# KiCad board haptic display 8x8 aisler.kicad_pcb (continued)
## Routing (per net, layer and track width the routed paths; a pad name or vN(x,y) marks a point on that pad's centre or on a via; arc(x,y) is an arc through that point) (continued)
92.95,68.55 93.22,68.69 93.51,68.81 93.8,68.91 94.09,68.98 94.39,69.04 94.7,69.07 95,69.08 95.3,69.06 95.61,69.02 95.9,68.96 96.2,68.88 96.48,68.78 96.76,68.66 97.03,68.51 97.28,68.35 97.52,68.17 97.75,67.97 97.96,67.75 98.16,67.52 98.33,67.27 98.49,67.02 98.63,66.75 98.75,66.47 98.85,66.19 98.92,65.89 98.97,65.6 99,65.3 99.01,65 99,64.7 98.96,64.4 98.9,64.11 98.82,63.82 98.72,63.54 98.6,63.27 98.46,63 98.3,62.75 98.12,62.51 97.92,62.29 97.71,62.08 97.48,61.89 97.24,61.72 96.99,61.56 96.72,61.43 96.45,61.31 96.17,61.21 95.88,61.14 95.59,61.09 95.3,61.06 95,61.05 94.69,61.07 94.38,61.1 94.08,61.17 93.78,61.26 93.49,61.37 93.22,61.5 92.95,61.65 92.69,61.82 92.45,62.02 92.23,62.23 92.02,62.46 91.83,62.7 91.67,62.96 91.52,63.23 91.39,63.51 91.29,63.79 91.21,64.09 91.15,64.39 91.12,64.69 91.11,65 91.13,65.3 91.17,65.61 91.23,65.91 91.31,66.2 91.42,66.48 91.55,66.76 91.7,67.02 91.88,67.27 92.07,67.51 92.27,67.73 92.5,67.93 92.74,68.11 92.99,68.28 93.25,68.42 93.53,68.55 93.81,68.65 94.1,68.73 94.4,68.78 94.7,68.82 95,68.83 95.3,68.81 95.6,68.77 95.89,68.71 96.18,68.63 96.46,68.52 96.73,68.39 96.99,68.24 97.23,68.07 97.47,67.89 97.68,67.68 97.88,67.46 98.06,67.23 98.23,66.98 98.37,66.72 98.49,66.45 98.59,66.17 98.67,65.88 98.72,65.59 98.75,65.3 98.76,65 98.75,64.71 98.71,64.41 98.65,64.12 98.57,63.84 98.46,63.57 98.34,63.3 98.19,63.05 98.02,62.8 97.84,62.57 97.64,62.36 97.42,62.17 97.19,61.99 96.94,61.83 96.69,61.69 96.42,61.57 96.15,61.47 95.87,61.39 95.58,61.34 95.29,61.31 95,61.3 94.69,61.32 94.39,61.36 94.09,61.42 93.8,61.51 93.52,61.63 93.25,61.76 92.99,61.92 92.74,62.1 92.51,62.3 92.3,62.52 92.11,62.75 91.94,63 91.78,63.26 91.65,63.53 91.55,63.81 91.46,64.1 91.41,64.4 91.37,64.7 91.36,65 91.38,65.3 91.42,65.6 91.48,65.89 91.57,66.18 91.68,66.45 91.82,66.72 91.97,66.98 92.15,67.22 92.35,67.44 92.56,67.65 92.79,67.84 93.03,68.01 93.29,68.16 93.56,68.29 93.83,68.39 94.12,68.48 94.41,68.53 94.7,68.57 95,68.58 95.29,68.56 95.59,68.52 95.88,68.46 96.16,68.37 96.43,68.26 96.69,68.13 96.94,67.97 97.18,67.8 97.4,67.61 97.61,67.4 97.79,67.17 97.96,66.93 98.11,66.68 98.23,66.42 98.33,66.14 98.41,65.86 98.47,65.58 98.5,65.29 98.51,65 98.5,64.71 98.46,64.42 98.4,64.14 98.31,63.86 98.2,63.6 98.07,63.34 97.92,63.09 97.75,62.86 97.56,62.64 97.36,62.44 97.14,62.26 96.9,62.09 96.65,61.95 96.39,61.83 96.12,61.72 95.85,61.65 95.57,61.59 95.29,61.56 95,61.55 94.7,61.57 94.4,61.61 94.11,61.68 93.82,61.77 93.55,61.89 93.29,62.03 93.04,62.19 92.8,62.38 92.58,62.58 92.38,62.8 92.21,63.04 92.05,63.3 91.91,63.56 91.8,63.84 91.72,64.12 91.66,64.41 91.62,64.7 91.61,65 91.63,65.29 91.67,65.59 91.74,65.87 91.83,66.15 91.95,66.42 92.08,66.68 92.25,66.93 92.43,67.16 92.63,67.37 92.84,67.57 93.08,67.74 93.33,67.9 93.59,68.03 93.86,68.14 94.14,68.22 94.42,68.28 94.71,68.32 95,68.33 95.29,68.31 95.58,68.27 95.86,68.2 96.13,68.11 96.4,68 96.65,67.86 96.89,67.7 97.12,67.53 97.33,67.33 97.52,67.11 97.69,66.89 97.84,66.64 97.97,66.39 98.08,66.12 98.16,65.85 98.22,65.57 98.25,65.28 98.26,65 98.25,64.72 98.21,64.43 98.14,64.16 98.05,63.89 97.94,63.63 97.81,63.38 97.65,63.14 97.48,62.92 97.28,62.72 97.07,62.53 96.85,62.36 96.61,62.21 96.36,62.08 96.1,61.98 95.83,61.9 95.56,61.84 95.28,61.81 95,61.8 94.71,61.82 94.41,61.86 94.13,61.93 93.85,62.03 93.58,62.15 93.33,62.3 93.09,62.47 92.86,62.66 92.66,62.87 92.48,63.09 92.31,63.34 92.17,63.59 92.06,63.86 91.97,64.14 91.91,64.42 91.87,64.71 91.86,65 91.88,65.29 91.92,65.58 91.99,65.86 92.09,66.13 92.21,66.39 92.35,66.64 92.52,66.88 92.7,67.09 92.91,67.29 93.13,67.47 93.37,67.63 93.62,67.77 93.88,67.88 94.16,67.97 94.43,68.03 94.72,68.07 95,68.08 95.28,68.06 95.56,68.02 95.84,67.95 96.11,67.85 96.36,67.74 96.61,67.6 96.84,67.43 97.05,67.25 97.25,67.05 97.42,66.83 97.58,66.6 97.71,66.35 97.82,66.09 97.91,65.83 97.97,65.55 98,65.28 98.01,65 98,64.72 97.95,64.45 97.89,64.18 97.8,63.92 97.68,63.67 97.54,63.43 97.38,63.2 97.2,62.99 97.01,62.8 96.79,62.63 96.56,62.47 96.32,62.34 96.07,62.24 95.81,62.15 95.54,62.09 95.27,62.06 95,62.05 94.71,62.07 94.43,62.11 94.15,62.19 93.88,62.29 93.62,62.42 93.37,62.57 93.15,62.74 92.94,62.94 92.75,63.15 92.58,63.38 92.44,63.63 92.32,63.89 92.23,64.16 92.16,64.44 92.12,64.72 92.11,65 92.13,65.28 92.18,65.56 92.25,65.83 92.35,66.1 92.47,66.35 92.62,66.59 92.79,66.81 92.98,67.02 93.19,67.2 93.42,67.37 93.66,67.51 93.91,67.62 94.18,67.71 94.45,67.78 94.72,67.82 95,67.83 95.28,67.81 95.55,67.76 95.82,67.69 96.08,67.6 96.32,67.47 96.56,67.33 96.77,67.16 96.98,66.98 97.16,66.77 97.32,66.55 97.45,66.31 97.57,66.06 97.65,65.81 97.72,65.54 97.75,65.27 97.76,65 97.75,64.73 97.7,64.46 97.63,64.2 97.54,63.95 97.42,63.71 97.28,63.48 97.11,63.26 96.93,63.07 96.73,62.89 96.51,62.74 96.28,62.6 96.04,62.49 95.79,62.41 95.53,62.34 95.27,62.31 95,62.3 94.72,62.32 94.44,62.37 94.17,62.44 93.91,62.55 93.66,62.68 93.43,62.84 93.21,63.02 93.02,63.22 92.85,63.44 92.7,63.67 92.58,63.92 92.48,64.18 92.41,64.45 92.37,64.72 92.36,65 92.38,65.28 92.43,65.55 92.5,65.81 92.61,66.07 92.73,66.31 92.89,66.54 93.06,66.75 93.26,66.94 93.47,67.1 93.7,67.25 93.95,67.37 94.2,67.46 94.46,67.53 94.73,67.57 95,67.58 95.27,67.56 95.53,67.51 95.79,67.44 96.04,67.34 96.28,67.21 96.5,67.06 96.7,66.89 96.89,66.7 97.05,66.49 97.19,66.27 97.31,66.03 97.4,65.78 97.47,65.52 97.5,65.26 97.51,65 97.49,64.74 97.45,64.48 97.38,64.23 97.28,63.98 97.16,63.75 97.01,63.54 96.85,63.34 96.66,63.16 96.45,63 96.24,62.86 96,62.75 95.76,62.66 95.51,62.6 95.26,62.56 95,62.55 94.73,62.57 94.46,62.62 94.2,62.7 93.94,62.81 93.71,62.94 93.49,63.11 93.29,63.29 93.11,63.49 92.96,63.72 92.83,63.96 92.73,64.21 92.66,64.47 92.62,64.73 92.61,65 92.63,65.27 92.68,65.53 92.76,65.78 92.87,66.03 93,66.26 93.15,66.47 93.33,66.67 93.53,66.84 93.75,66.99 93.98,67.11 94.23,67.21 94.48,67.28 94.74,67.31 95,67.33 95.26,67.31 95.52,67.26 95.76,67.18 96,67.08 96.23,66.95 96.43,66.8 96.62,66.62 96.79,66.43 96.93,66.22 97.05,65.99 97.15,65.75 97.21,65.51 97.25,65.25 97.26,65 97.24,64.75 97.2,64.5 97.12,64.26 97.02,64.03 96.9,63.81 96.75,63.61 96.58,63.42 96.39,63.26 96.18,63.12 95.96,63 95.73,62.91 95.49,62.85 95.25,62.81 95,62.8 94.74,62.82 94.48,62.87 94.22,62.96 93.99,63.07 93.76,63.21 93.56,63.37 93.38,63.56 93.22,63.77 93.09,64 92.99,64.24 92.92,64.49 92.87,64.74 92.86,65 92.88,65.26 92.93,65.51 93.01,65.75 93.12,65.98 93.26,66.2 93.42,66.4 93.6,66.57 93.81,66.73 94.03,66.85 94.26,66.95 94.5,67.02 94.75,67.06 95,67.08 95.25,67.06 95.49,67.01 95.73,66.93 95.96,66.82 96.17,66.69 96.36,66.53 96.53,66.35 96.68,66.16 96.8,65.94 96.9,65.72 96.96,65.48 97,65.24 97.01,65 96.99,64.76 96.94,64.52 96.87,64.29 96.76,64.07 96.64,63.87 96.48,63.68 96.31,63.52 96.12,63.38 95.92,63.26 95.7,63.16 95.47,63.1 95.24,63.06 95,63.05 94.75,63.07 94.5,63.13 94.26,63.21 94.04,63.33 93.83,63.47 93.64,63.64 93.48,63.84 93.35,64.05 93.24,64.27 93.17,64.51 93.12,64.75 93.11,65 93.13,65.25 93.19,65.49 93.27,65.72 93.38,65.93 93.52,66.13 93.69,66.31 93.87,66.47 94.08,66.6 94.3,66.7 94.52,66.77 94.76,66.81 95,66.83 95.24,66.8 95.47,66.75 95.69,66.67 95.9,66.56 96.1,66.43 96.27,66.27 96.42,66.09 96.54,65.89 96.64,65.68 96.71,65.46 96.75,65.23 96.76,65 96.74,64.77 96.69,64.55 96.61,64.33 96.51,64.13 96.38,63.94 96.22,63.78 96.05,63.63 95.86,63.51 95.66,63.41 95.44,63.35 95.22,63.31 95,63.3 94.76,63.32 94.52,63.38 94.3,63.47 94.09,63.59 93.91,63.74 93.74,63.91 93.6,64.1 93.49,64.31 93.42,64.54 93.37,64.77 93.36,65 93.38,65.23 93.44,65.46 93.53,65.67 93.64,65.87 93.78,66.05 93.95,66.21 94.14,66.34 94.34,66.45 94.55,66.52 94.78,66.56 95,66.58 95.22,66.55 95.44,66.5 95.65,66.42 95.84,66.31 96.01,66.17 96.16,66.01 96.29,65.83 96.39,65.64 96.46,65.43 96.5,65.22 96.51,65 96.49,64.79 96.44,64.58 96.36,64.38 96.25,64.19 96.12,64.03 95.97,63.88 95.8,63.76 95.61,63.67 95.41,63.6 95.21,63.56 95,63.55 95,63.6 94.63,63.97 94.59,63.98 ; v1(95.35,45) 95,45.35 95,45.55 94.68,45.56 94.37,45.6 94.06,45.66 93.75,45.74 93.45,45.84 93.16,45.97 92.88,46.11 92.61,46.28 92.35,46.46 92.1,46.66 91.88,46.88 91.66,47.11 91.47,47.36 91.29,47.62 91.13,47.89 90.99,48.17 90.88,48.46 90.78,48.76 90.7,49.07 90.65,49.37 90.62,49.69 90.61,50 90.63,50.31 90.66,50.62 90.72,50.93 90.8,51.23 90.9,51.53 91.02,51.82 91.17,52.09 91.33,52.36 91.51,52.61 91.71,52.85 91.92,53.08 92.15,53.29 92.39,53.48 92.65,53.66 92.92,53.81 93.2,53.95 93.48,54.07 93.78,54.16 94.08,54.23 94.38,54.29 94.69,54.32 95,54.33 95.31,54.31 95.61,54.28 95.92,54.22 96.22,54.14 96.51,54.04 96.79,53.92 97.06,53.78 97.33,53.62 97.58,53.44 97.81,53.25 98.04,53.04 98.24,52.81 98.43,52.57 98.6,52.32 98.76,52.05 98.89,51.78 99.01,51.49 99.1,51.2 99.17,50.91 99.22,50.61 99.25,50.3 99.26,50 99.25,49.7 99.21,49.39 99.16,49.1 99.08,48.8 98.98,48.52 98.86,48.24 98.72,47.97 98.57,47.71 98.39,47.46 98.2,47.23 97.99,47.01 97.77,46.8 97.53,46.62 97.28,46.45 97.02,46.3 96.75,46.16 96.47,46.05 96.19,45.96 95.89,45.89 95.6,45.84 95.3,45.81 95,45.8 94.69,45.81 94.37,45.85 94.07,45.91 93.77,46 93.47,46.1 93.19,46.23 92.91,46.38 92.65,46.55 92.4,46.74 92.16,46.94 91.95,47.17 91.74,47.4 91.56,47.66 91.4,47.92 91.26,48.2 91.13,48.48 91.03,48.78 90.96,49.08 90.9,49.38 90.87,49.69 90.86,50 90.88,50.31 90.91,50.62 90.97,50.92 91.06,51.22 91.16,51.51 91.29,51.79 91.43,52.06 91.6,52.32 91.79,52.56 91.99,52.79 92.21,53.01 92.44,53.21 92.69,53.39 92.95,53.55 93.22,53.69 93.51,53.81 93.8,53.91 94.09,53.98 94.39,54.04 94.7,54.07 95,54.08 95.3,54.06 95.61,54.02 95.9,53.96 96.2,53.88 96.48,53.78 96.76,53.66 97.03,53.51 97.28,53.35 97.52,53.17 97.75,52.97 97.96,52.75 98.16,52.52 98.33,52.27 98.49,52.02 98.63,51.75 98.75,51.47 98.85,51.19 98.92,50.89 98.97,50.6 99,50.3 99.01,50 99,49.7 98.96,49.4 98.9,49.11 98.82,48.82 98.72,48.54 98.6,48.27 98.46,48 98.3,47.75 98.12,47.51 97.92,47.29 97.71,47.08 97.48,46.89 97.24,46.72 96.99,46.56 96.72,46.43 96.45,46.31 96.17,46.21 95.88,46.14 95.59,46.09 95.3,46.06 95,46.05 94.69,46.07 94.38,46.1 94.08,46.17 93.78,46.26 93.49,46.37 93.22,46.5 92.95,46.65 92.69,46.82 92.45,47.02 92.23,47.23 92.02,47.46 91.83,47.7 91.67,47.96 91.52,48.23 91.39,48.51 91.29,48.79 91.21,49.09 91.15,49.39 91.12,49.69 91.11,50 91.13,50.3 91.17,50.61 91.23,50.91 91.31,51.2 91.42,51.48 91.55,51.76 91.7,52.02 91.88,52.27 92.07,52.51 92.27,52.73 92.5,52.93 92.74,53.11 92.99,53.28 93.25,53.42 93.53,53.55 93.81,53.65 94.1,53.73 94.4,53.78 94.7,53.82 95,53.83 95.3,53.81 95.6,53.77 95.89,53.71 96.18,53.63 96.46,53.52 96.73,53.39 96.99,53.24 97.23,53.07 97.47,52.89 97.68,52.68 97.88,52.46 98.06,52.23 98.23,51.98 98.37,51.72 98.49,51.45 98.59,51.17 98.67,50.88 98.72,50.59 98.75,50.3 98.76,50 98.75,49.71 98.71,49.41 98.65,49.12 98.57,48.84 98.46,48.57 98.34,48.3 98.19,48.05 98.02,47.8 97.84,47.57 97.64,47.36 97.42,47.17 97.19,46.99 96.94,46.83 96.69,46.69 96.42,46.57 96.15,46.47 95.87,46.39 95.58,46.34 95.29,46.31 95,46.3 94.69,46.32 94.39,46.36 94.09,46.42 93.8,46.51 93.52,46.63 93.25,46.76 92.99,46.92 92.74,47.1 92.51,47.3 92.3,47.52 92.11,47.75 91.94,48 91.78,48.26 91.65,48.53 91.55,48.81 91.46,49.1 91.41,49.4 91.37,49.7 91.36,50 91.38,50.3 91.42,50.6 91.48,50.89 91.57,51.18 91.68,51.45 91.82,51.72 91.97,51.98 92.15,52.22 92.35,52.44 92.56,52.65 92.79,52.84 93.03,53.01 93.29,53.16 93.56,53.29 93.83,53.39 94.12,53.48 94.41,53.53 94.7,53.57 95,53.58 95.29,53.56 95.59,53.52 95.88,53.46 96.16,53.37 96.43,53.26 96.69,53.13 96.94,52.97 97.18,52.8 97.4,52.61 97.61,52.4 97.79,52.17 97.96,51.93 98.11,51.68 98.23,51.42 98.33,51.14 98.41,50.86 98.47,50.58 98.5,50.29 98.51,50 98.5,49.71 98.46,49.42 98.4,49.14 98.31,48.86 98.2,48.6 98.07,48.34 97.92,48.09 97.75,47.86 97.56,47.64 97.36,47.44 97.14,47.26 96.9,47.09 96.65,46.95 96.39,46.83 96.12,46.72 95.85,46.65 95.57,46.59 95.29,46.56 95,46.55 94.7,46.57 94.4,46.61 94.11,46.68 93.82,46.77 93.55,46.89 93.29,47.03 93.04,47.19 92.8,47.38 92.58,47.58 92.38,47.8 92.21,48.04 92.05,48.3 91.91,48.56 91.8,48.84 91.72,49.12 91.66,49.41 91.62,49.7 91.61,50 91.63,50.29 91.67,50.59 91.74,50.87 91.83,51.15 91.95,51.42 92.08,51.68 92.25,51.93 92.43,52.16 92.63,52.37 92.84,52.57 93.08,52.74 93.33,52.9 93.59,53.03 93.86,53.14 94.14,53.22 94.42,53.28 94.71,53.32 95,53.33 95.29,53.31 95.58,53.27 95.86,53.2 96.13,53.11 96.4,53 96.65,52.86 96.89,52.7 97.12,52.53 97.33,52.33 97.52,52.11 97.69,51.89 97.84,51.64 97.97,51.39 98.08,51.12 98.16,50.85 98.22,50.57 98.25,50.28 98.26,50 98.25,49.72 98.21,49.43 98.14,49.16 98.05,48.89 97.94,48.63 97.81,48.38 97.65,48.14 97.48,47.92 97.28,47.72 97.07,47.53 96.85,47.36 96.61,47.21 96.36,47.08 96.1,46.98 95.83,46.9 95.56,46.84 95.28,46.81 95,46.8 94.71,46.82 94.41,46.86 94.13,46.93 93.85,47.03 93.58,47.15 93.33,47.3 93.09,47.47 92.86,47.66 92.66,47.87 92.48,48.09 92.31,48.34 92.17,48.59 92.06,48.86 91.97,49.14 91.91,49.42 91.87,49.71 91.86,50 91.88,50.29 91.92,50.58 91.99,50.86 92.09,51.13 92.21,51.39 92.35,51.64 92.52,51.88 92.7,52.09 92.91,52.29 93.13,52.47 93.37,52.63 93.62,52.77 93.88,52.88 94.16,52.97 94.43,53.03 94.72,53.07 95,53.08 95.28,53.06 95.56,53.02 95.84,52.95 96.11,52.85 96.36,52.74 96.61,52.6 96.84,52.43 97.05,52.25 97.25,52.05 97.42,51.83 97.58,51.6 97.71,51.35 97.82,51.09 97.91,50.83 97.97,50.55 98,50.28 98.01,50 98,49.72 97.95,49.45 97.89,49.18 97.8,48.92 97.68,48.67 97.54,48.43 97.38,48.2 97.2,47.99 97.01,47.8 96.79,47.63 96.56,47.47 96.32,47.34 96.07,47.24 95.81,47.15 95.54,47.09 95.27,47.06 95,47.05 94.71,47.07 94.43,47.11 94.15,47.19 93.88,47.29 93.62,47.42 93.37,47.57 93.15,47.74 92.94,47.94 92.75,48.15 92.58,48.38 92.44,48.63 92.32,48.89 92.23,49.16 92.16,49.44 92.12,49.72 92.11,50 92.13,50.28 92.18,50.56 92.25,50.83 92.35,51.1 92.47,51.35 92.62,51.59 92.79,51.81 92.98,52.02 93.19,52.2 93.42,52.37 93.66,52.51 93.91,52.62 94.18,52.71 94.45,52.78 94.72,52.82 95,52.83 95.28,52.81 95.55,52.76 95.82,52.69 96.08,52.6 96.32,52.47 96.56,52.33 96.77,52.16 96.98,51.98 97.16,51.77 97.32,51.55 97.45,51.31 97.57,51.06 97.65,50.81 97.72,50.54 97.75,50.27 97.76,50 97.75,49.73 97.7,49.46 97.63,49.2 97.54,48.95 97.42,48.71 97.28,48.48 97.11,48.26 96.93,48.07 96.73,47.89 96.51,47.74 96.28,47.6 96.04,47.49 95.79,47.41 95.53,47.34 95.27,47.31 95,47.3 94.72,47.32 94.44,47.37 94.17,47.44 93.91,47.55 93.66,47.68 93.43,47.84 93.21,48.02 93.02,48.22 92.85,48.44 92.7,48.67 92.58,48.92 92.48,49.18 92.41,49.45 92.37,49.72 92.36,50 92.38,50.28 92.43,50.55 92.5,50.81 92.61,51.07 92.73,51.31 92.89,51.54 93.06,51.75 93.26,51.94 93.47,52.1 93.7,52.25 93.95,52.37 94.2,52.46 94.46,52.53 94.73,52.57 95,52.58 95.27,52.56 95.53,52.51 95.79,52.44 96.04,52.34 96.28,52.21 96.5,52.06 96.7,51.89 96.89,51.7 97.05,51.49 97.19,51.27 97.31,51.03 97.4,50.78 97.47,50.52 97.5,50.26 97.51,50 97.49,49.74 97.45,49.48 97.38,49.23 97.28,48.98 97.16,48.75 97.01,48.54 96.85,48.34 96.66,48.16 96.45,48 96.24,47.86 96,47.75 95.76,47.66 95.51,47.6 95.26,47.56 95,47.55 94.73,47.57 94.46,47.62 94.2,47.7 93.94,47.81 93.71,47.94 93.49,48.11 93.29,48.29 93.11,48.49 92.96,48.72 92.83,48.96 92.73,49.21 92.66,49.47 92.62,49.73 92.61,50 92.63,50.27 92.68,50.53 92.76,50.78 92.87,51.03 93,51.26 93.15,51.47 93.33,51.67 93.53,51.84 93.75,51.99 93.98,52.11 94.23,52.21 94.48,52.28 94.74,52.31 95,52.33 95.26,52.31 95.52,52.26 95.76,52.18 96,52.08 96.23,51.95 96.43,51.8 96.62,51.62 96.79,51.43 96.93,51.22 97.05,50.99 97.15,50.75 97.21,50.51 97.25,50.25 97.26,50 97.24,49.75 97.2,49.5 97.12,49.26 97.02,49.03 96.9,48.81 96.75,48.61 96.58,48.42 96.39,48.26 96.18,48.12 95.96,48 95.73,47.91 95.49,47.85 95.25,47.81 95,47.8 94.74,47.82 94.48,47.87 94.22,47.96 93.99,48.07 93.76,48.21 93.56,48.37 93.38,48.56 93.22,48.77 93.09,49 92.99,49.24 92.92,49.49 92.87,49.74 92.86,50 92.88,50.26 92.93,50.51 93.01,50.75 93.12,50.98 93.26,51.2 93.42,51.4 93.6,51.57 93.81,51.73 94.03,51.85 94.26,51.95 94.5,52.02 94.75,52.06 95,52.08 95.25,52.06 95.49,52.01 95.73,51.93 95.96,51.82 96.17,51.69 96.36,51.53 96.53,51.35 96.68,51.16 96.8,50.94 96.9,50.72 96.96,50.48 97,50.24 97.01,50 96.99,49.76 96.94,49.52 96.87,49.29 96.76,49.07 96.64,48.87 96.48,48.68 96.31,48.52 96.12,48.38 95.92,48.26 95.7,48.16 95.47,48.1 95.24,48.06 95,48.05 94.75,48.07 94.5,48.13 94.26,48.21 94.04,48.33 93.83,48.47 93.64,48.64 93.48,48.84 93.35,49.05 93.24,49.27 93.17,49.51 93.12,49.75 93.11,50 93.13,50.25 93.19,50.49 93.27,50.72 93.38,50.93 93.52,51.13 93.69,51.31 93.87,51.47 94.08,51.6 94.3,51.7 94.52,51.77 94.76,51.81 95,51.83 95.24,51.8 95.47,51.75 95.69,51.67 95.9,51.56 96.1,51.43 96.27,51.27 96.42,51.09 96.54,50.89 96.64,50.68 96.71,50.46 96.75,50.23 96.76,50 96.74,49.77 96.69,49.55 96.61,49.33 96.51,49.13 96.38,48.94 96.22,48.78 96.05,48.63 95.86,48.51 95.66,48.41 95.44,48.35 95.22,48.31 95,48.3 94.76,48.32 94.52,48.38 94.3,48.47 94.09,48.59 93.91,48.74 93.74,48.91 93.6,49.1 93.49,49.31 93.42,49.54 93.37,49.77 93.36,50 93.38,50.23 93.44,50.46 93.53,50.67 93.64,50.87 93.78,51.05 93.95,51.21 94.14,51.34 94.34,51.45 94.55,51.52 94.78,51.56 95,51.58 95.22,51.55 95.44,51.5 95.65,51.42 95.84,51.31 96.01,51.17 96.16,51.01 96.29,50.83 96.39,50.64 96.46,50.43 96.5,50.22 96.51,50 96.49,49.79 96.44,49.58 96.36,49.38 96.25,49.19 96.12,49.03 95.97,48.88 95.8,48.76 95.61,48.67 95.41,48.6 95.21,48.56 95,48.55 95,48.6 94.63,48.97 94.59,48.98 ; v1(95.35,30) 95,30.35 95,30.55 94.68,30.56 94.37,30.6 94.06,30.66 93.75,30.74 93.45,30.84 93.16,30.97 92.88,31.11 92.61,31.28 92.35,31.46 92.1,31.66 91.88,31.88 91.66,32.11 91.47,32.36 91.29,32.62 91.13,32.89 90.99,33.17 90.88,33.46 90.78,33.76 90.7,34.07 90.65,34.37 90.62,34.69 90.61,35 90.63,35.31 90.66,35.62 90.72,35.93 90.8,36.23 90.9,36.53 91.02,36.82 91.17,37.09 91.33,37.36 91.51,37.61 91.71,37.85 91.92,38.08 92.15,38.29 92.39,38.48 92.65,38.66 92.92,38.81 93.2,38.95 93.48,39.07 93.78,39.16 94.08,39.23 94.38,39.29 94.69,39.32 95,39.32 95.31,39.31 95.61,39.28 95.92,39.22 96.22,39.14 96.51,39.04 96.79,38.92 97.06,38.78 97.33,38.62 97.58,38.44 97.81,38.25 98.04,38.04 98.24,37.81 98.43,37.57 98.6,37.32 98.76,37.05 98.89,36.78 99.01,36.49 99.1,36.2 99.17,35.91 99.22,35.61 99.25,35.3 99.26,35 99.25,34.7 99.21,34.39 99.16,34.1 99.08,33.8 98.98,33.52 98.86,33.24 98.72,32.97 98.57,32.71 98.39,32.46 98.2,32.23 97.99,32.01 97.77,31.8 97.53,31.62 97.28,31.45 97.02,31.3 96.75,31.16 96.47,31.05 96.19,30.96 95.89,30.89 95.6,30.84 95.3,30.81 95,30.8 94.69,30.81 94.37,30.85 94.07,30.91 93.77,31 93.47,31.1 93.19,31.23 92.91,31.38 92.65,31.55 92.4,31.74 92.16,31.94 91.95,32.17 91.74,32.4 91.56,32.66 91.4,32.92 91.26,33.2 91.13,33.48 91.03,33.78 90.96,34.08 90.9,34.38 90.87,34.69 90.86,35 90.88,35.31 90.91,35.62 90.97,35.92 91.06,36.22 91.16,36.51 91.29,36.79 91.43,37.06 91.6,37.32 91.79,37.56 91.99,37.79 92.21,38.01 92.44,38.21 92.69,38.39 92.95,38.55 93.22,38.69 93.51,38.81 93.8,38.91 94.09,38.98 94.39,39.04 94.7,39.07 95,39.07 95.3,39.06 95.61,39.02 95.9,38.96 96.2,38.88 96.48,38.78 96.76,38.66 97.03,38.51 97.28,38.35 97.52,38.17 97.75,37.97 97.96,37.75 98.16,37.52 98.33,37.27 98.49,37.02 98.63,36.75 98.75,36.47 98.85,36.19 98.92,35.89 98.97,35.6 99,35.3 99.01,35 99,34.7 98.96,34.4 98.9,34.11 98.82,33.82 98.72,33.54 98.6,33.27 98.46,33 98.3,32.75 98.12,32.51 97.92,32.29 97.71,32.08 97.48,31.89 97.24,31.72 96.99,31.56 96.72,31.43 96.45,31.31 96.17,31.21 95.88,31.14 95.59,31.09 95.3,31.06 95,31.05 94.69,31.07 94.38,31.1 94.08,31.17 93.78,31.26 93.49,31.37 93.22,31.5 92.95,31.65 92.69,31.82 92.45,32.02 92.23,32.23 92.02,32.46 91.83,32.7 91.67,32.96 91.52,33.23 91.39,33.51 91.29,33.79 91.21,34.09 91.15,34.39 91.12,34.69 91.11,35 91.13,35.3 91.17,35.61 91.23,35.91 91.31,36.2 91.42,36.48 91.55,36.76 91.7,37.02 91.88,37.27 92.07,37.51 92.27,37.73 92.5,37.93 92.74,38.11 92.99,38.28 93.25,38.42 93.53,38.55 93.81,38.65 94.1,38.73 94.4,38.78 94.7,38.82 95,38.82 95.3,38.81 95.6,38.77 95.89,38.71 96.18,38.63 96.46,38.52 96.73,38.39 96.99,38.24 97.23,38.07 97.47,37.89 97.68,37.68 97.88,37.46 98.06,37.23 98.23,36.98 98.37,36.72 98.49,36.45 98.59,36.17 98.67,35.88 98.72,35.59 98.75,35.3 98.76,35 98.75,34.71 98.71,34.41 98.65,34.12 98.57,33.84 98.46,33.57 98.34,33.3 98.19,33.05 98.02,32.8 97.84,32.57 97.64,32.36 97.42,32.17 97.19,31.99 96.94,31.83 96.69,31.69 96.42,31.57 96.15,31.47 95.87,31.39 95.58,31.34 95.29,31.31 95,31.3 94.69,31.32 94.39,31.36 94.09,31.42 93.8,31.51 93.52,31.63 93.25,31.76 92.99,31.92 92.74,32.1 92.51,32.3 92.3,32.52 92.11,32.75 91.94,33 91.78,33.26 91.65,33.53 91.55,33.81 91.46,34.1 91.41,34.4 91.37,34.7 91.36,35 91.38,35.3 91.42,35.6 91.48,35.89 91.57,36.18 91.68,36.45 91.82,36.72 91.97,36.98 92.15,37.22 92.35,37.44 92.56,37.65 92.79,37.84 93.03,38.01 93.29,38.16 93.56,38.29 93.83,38.39 94.12,38.48 94.41,38.53 94.7,38.57 95,38.57 95.29,38.56 95.59,38.52 95.88,38.46 96.16,38.37 96.43,38.26 96.69,38.13 96.94,37.97 97.18,37.8 97.4,37.61 97.61,37.4 97.79,37.17 97.96,36.93 98.11,36.68 98.23,36.42 98.33,36.14 98.41,35.86 98.47,35.58 98.5,35.29 98.51,35 98.5,34.71 98.46,34.42 98.4,34.14 98.31,33.86 98.2,33.6 98.07,33.34 97.92,33.09 97.75,32.86 97.56,32.64 97.36,32.44 97.14,32.26 96.9,32.09 96.65,31.95 96.39,31.83 96.12,31.72 95.85,31.65 95.57,31.59 95.29,31.56 95,31.55 94.7,31.57 94.4,31.61 94.11,31.68 93.82,31.77 93.55,31.89 93.29,32.03 93.04,32.19 92.8,32.38 92.58,32.58 92.38,32.8 92.21,33.04 92.05,33.3 91.91,33.56 91.8,33.84 91.72,34.12 91.66,34.41 91.62,34.7 91.61,35 91.63,35.29 91.67,35.59 91.74,35.87 91.83,36.15 91.95,36.42 92.08,36.68 92.25,36.93 92.43,37.16 92.63,37.37 92.84,37.57 93.08,37.74 93.33,37.9 93.59,38.03 93.86,38.14 94.14,38.22 94.42,38.28 94.71,38.32 95,38.32 95.29,38.31 95.58,38.27 95.86,38.2 96.13,38.11 96.4,38 96.65,37.86 96.89,37.7 97.12,37.53 97.33,37.33 97.52,37.11 97.69,36.89 97.84,36.64 97.97,36.39 98.08,36.12 98.16,35.85 98.22,35.57 98.25,35.28 98.26,35 98.25,34.72 98.21,34.43 98.14,34.16 98.05,33.89 97.94,33.63 97.81,33.38 97.65,33.14 97.48,32.92 97.28,32.72 97.07,32.53 96.85,32.36 96.61,32.21 96.36,32.08 96.1,31.98 95.83,31.9 95.56,31.84 95.28,31.81 95,31.8 94.71,31.82 94.41,31.86 94.13,31.93 93.85,32.03 93.58,32.15 93.33,32.3 93.09,32.47 92.86,32.66 92.66,32.87 92.48,33.09 92.31,33.34 92.17,33.59 92.06,33.86 91.97,34.14 91.91,34.42 91.87,34.71 91.86,35 91.88,35.29 91.92,35.58 91.99,35.86 92.09,36.13 92.21,36.39 92.35,36.64 92.52,36.88 92.7,37.09 92.91,37.29 93.13,37.47 93.37,37.63 93.62,37.77 93.88,37.88 94.16,37.97 94.43,38.03 94.72,38.07 95,38.07 95.28,38.06 95.56,38.02 95.84,37.95 96.11,37.85 96.36,37.74 96.61,37.6 96.84,37.43 97.05,37.25 97.25,37.05 97.42,36.83 97.58,36.6 97.71,36.35 97.82,36.09 97.91,35.83 97.97,35.55 98,35.28 98.01,35 98,34.72 97.95,34.45 97.89,34.18 97.8,33.92 97.68,33.67 97.54,33.43 97.38,33.2 97.2,32.99 97.01,32.8 96.79,32.63 96.56,32.47 96.32,32.34 96.07,32.24 95.81,32.15 95.54,32.09 95.27,32.06 95,32.05 94.71,32.07 94.43,32.11 94.15,32.19 93.88,32.29 93.62,32.42 93.37,32.57 93.15,32.74 92.94,32.94 92.75,33.15 92.58,33.38 92.44,33.63 92.32,33.89 92.23,34.16 92.16,34.44 92.12,34.72 92.11,35 92.13,35.28 92.18,35.56 92.25,35.83 92.35,36.1 92.47,36.35 92.62,36.59 92.79,36.81 92.98,37.02 93.19,37.2 93.42,37.37 93.66,37.51 93.91,37.62 94.18,37.71 94.45,37.78 94.72,37.82 95,37.82 95.28,37.81 95.55,37.76 95.82,37.69 96.08,37.6 96.32,37.47 96.56,37.33 96.77,37.16 96.98,36.98 97.16,36.77 97.32,36.55 97.45,36.31 97.57,36.06 97.65,35.81 97.72,35.54 97.75,35.27 97.76,35 97.75,34.73 97.7,34.46 97.63,34.2 97.54,33.95 97.42,33.71 97.28,33.48 97.11,33.26 96.93,33.07 96.73,32.89 96.51,32.74 96.28,32.6 96.04,32.49 95.79,32.41 95.53,32.34 95.27,32.31 95,32.3 94.72,32.32 94.44,32.37 94.17,32.44 93.91,32.55 93.66,32.68 93.43,32.84 93.21,33.02 93.02,33.22 92.85,33.44 92.7,33.67 92.58,33.92 92.48,34.18 92.41,34.45 92.37,34.72 92.36,35 92.38,35.28 92.43,35.55 92.5,35.81 92.61,36.07 92.73,36.31 92.89,36.54 93.06,36.75 93.26,36.94 93.47,37.1 93.7,37.25 93.95,37.37 94.2,37.46 94.46,37.53 94.73,37.57 95,37.57 95.27,37.56 95.53,37.51 95.79,37.44 96.04,37.34 96.28,37.21 96.5,37.06 96.7,36.89 96.89,36.7 97.05,36.49 97.19,36.27 97.31,36.03 97.4,35.78 97.47,35.52 97.5,35.26 97.51,35 97.49,34.74 97.45,34.48 97.38,34.23 97.28,33.98 97.16,33.75 97.01,33.54 96.85,33.34 96.66,33.16 96.45,33 96.24,32.86 96,32.75 95.76,32.66 95.51,32.6 95.26,32.56 95,32.55 94.73,32.57 94.46,32.62 94.2,32.7 93.94,32.81 93.71,32.94 93.49,33.11 93.29,33.29 93.11,33.49 92.96,33.72 92.83,33.96 92.73,34.21 92.66,34.47 92.62,34.73 92.61,35 92.63,35.27 92.68,35.53 92.76,35.78 92.87,36.03 93,36.26 93.15,36.47 93.33,36.67 93.53,36.84 93.75,36.99 93.98,37.11 94.23,37.21 94.48,37.28 94.74,37.31 95,37.32 95.26,37.31 95.52,37.26 95.76,37.18 96,37.08 96.23,36.95 96.43,36.8 96.62,36.62 96.79,36.43 96.93,36.22 97.05,35.99 97.15,35.75 97.21,35.51 97.25,35.25 97.26,35 97.24,34.75 97.2,34.5 97.12,34.26 97.02,34.03 96.9,33.81 96.75,33.61 96.58,33.42 96.39,33.26 96.18,33.12 95.96,33 95.73,32.91 95.49,32.85 95.25,32.81 95,32.8 94.74,32.82 94.48,32.87 94.22,32.96 93.99,33.07 93.76,33.21 93.56,33.37 93.38,33.56 93.22,33.77 93.09,34 92.99,34.24 92.92,34.49 92.87,34.74 92.86,35 92.88,35.26 92.93,35.51 93.01,35.75 93.12,35.98 93.26,36.2 93.42,36.4 93.6,36.57 93.81,36.73 94.03,36.85 94.26,36.95 94.5,37.02 94.75,37.06 95,37.07 95.25,37.06 95.49,37.01 95.73,36.93 95.96,36.82 96.17,36.69 96.36,36.53 96.53,36.35 96.68,36.16 96.8,35.94 96.9,35.72 96.96,35.48 97,35.24 97.01,35 96.99,34.76 96.94,34.52 96.87,34.29 96.76,34.07 96.64,33.87 96.48,33.68 96.31,33.52 96.12,33.38 95.92,33.26 95.7,33.16 95.47,33.1 95.24,33.06 95,33.05 94.75,33.07 94.5,33.13 94.26,33.21 94.04,33.33 93.83,33.47 93.64,33.64 93.48,33.84 93.35,34.05 93.24,34.27 93.17,34.51 93.12,34.75 93.11,35 93.13,35.25 93.19,35.49 93.27,35.72 93.38,35.93 93.52,36.13 93.69,36.31 93.87,36.47 94.08,36.6 94.3,36.7 94.52,36.77 94.76,36.81 95,36.82 95.24,36.8 95.47,36.75 95.69,36.67 95.9,36.56 96.1,36.43 96.27,36.27 96.42,36.09 96.54,35.89 96.64,35.68 96.71,35.46 96.75,35.23 96.76,35 96.74,34.77 96.69,34.55 96.61,34.33 96.51,34.13 96.38,33.94 96.22,33.78 96.05,33.63 95.86,33.51 95.66,33.41 95.44,33.35 95.22,33.31 95,33.3 94.76,33.32 94.52,33.38 94.3,33.47 94.09,33.59 93.91,33.74 93.74,33.91 93.6,34.1 93.49,34.31 93.42,34.54 93.37,34.77 93.36,35 93.38,35.23 93.44,35.46 93.53,35.67 93.64,35.87 93.78,36.05 93.95,36.21 94.14,36.34 94.34,36.45 94.55,36.52 94.78,36.56 95,36.57 95.22,36.55 95.44,36.5 95.65,36.42 95.84,36.31 96.01,36.17 96.16,36.01 96.29,35.83 96.39,35.64 96.46,35.43 96.5,35.22 96.51,35 96.49,34.79 96.44,34.58 96.36,34.38 96.25,34.19 96.12,34.03 95.97,33.88 95.8,33.76 95.61,33.67 95.41,33.6 95.21,33.56 95,33.55 95,33.6 94.63,33.97 94.59,33.98 ; v1(95.35,15) 95,15.35 95,15.55 94.68,15.56 94.37,15.6 94.06,15.66 93.75,15.74 93.45,15.84 93.16,15.97 92.88,16.11 92.61,16.28 92.35,16.46 92.1,16.66 91.88,16.88 91.66,17.11 91.47,17.36 91.29,17.62 91.13,17.89 90.99,18.17 90.88,18.46 90.78,18.76 90.7,19.07 90.65,19.37 90.62,19.69 90.61,20 90.63,20.31 90.66,20.62 90.72,20.93 90.8,21.23 90.9,21.53 91.02,21.82 91.17,22.09 91.33,22.36 91.51,22.61 91.71,22.85 91.92,23.08 92.15,23.29 92.39,23.48 92.65,23.66 92.92,23.81 93.2,23.95 93.48,24.07 93.78,24.16 94.08,24.23 94.38,24.29 94.69,24.32 95,24.32 95.31,24.31 95.61,24.28 95.92,24.22 96.22,24.14 96.51,24.04 96.79,23.92 97.06,23.78 97.33,23.62 97.58,23.44 97.81,23.25 98.04,23.04 98.24,22.81 98.43,22.57 98.6,22.32 98.76,22.05 98.89,21.78 99.01,21.49 99.1,21.2 99.17,20.91 99.22,20.61 99.25,20.3 99.26,20 99.25,19.7 99.21,19.39 99.16,19.1 99.08,18.8 98.98,18.52 98.86,18.24 98.72,17.97 98.57,17.71 98.39,17.46 98.2,17.23 97.99,17.01 97.77,16.8 97.53,16.62 97.28,16.45 97.02,16.3 96.75,16.16 96.47,16.05 96.19,15.96 95.89,15.89 95.6,15.84 95.3,15.81 95,15.8 94.69,15.81 94.37,15.85 94.07,15.91 93.77,16 93.47,16.1 93.19,16.23 92.91,16.38 92.65,16.55 92.4,16.74 92.16,16.94 91.95,17.17 91.74,17.4 91.56,17.66 91.4,17.92 91.26,18.2 91.13,18.48 91.03,18.78 90.96,19.08 90.9,19.38 90.87,19.69 90.86,20 90.88,20.31 90.91,20.62 90.97,20.92 91.06,21.22 91.16,21.51 91.29,21.79 91.43,22.06 91.6,22.32 91.79,22.56 91.99,22.79 92.21,23.01 92.44,23.21 92.69,23.39 92.95,23.55 93.22,23.69 93.51,23.81 93.8,23.91 94.09,23.98 94.39,24.04 94.7,24.07 95,24.07 95.3,24.06 95.61,24.02 95.9,23.96 96.2,23.88 96.48,23.78 96.76,23.66 97.03,23.51 97.28,23.35 97.52,23.17 97.75,22.97 97.96,22.75 98.16,22.52 98.33,22.27 98.49,22.02 98.63,21.75 98.75,21.47 98.85,21.19 98.92,20.89 98.97,20.6 99,20.3 99.01,20 99,19.7 98.96,19.4 98.9,19.11 98.82,18.82 98.72,18.54 98.6,18.27 98.46,18 98.3,17.75 98.12,17.51 97.92,17.29 97.71,17.08 97.48,16.89 97.24,16.72 96.99,16.56 96.72,16.43 96.45,16.31 96.17,16.21 95.88,16.14 95.59,16.09 95.3,16.06 95,16.05 94.69,16.07 94.38,16.1 94.08,16.17 93.78,16.26 93.49,16.37 93.22,16.5 92.95,16.65 92.69,16.82 92.45,17.02 92.23,17.23 92.02,17.46 91.83,17.7 91.67,17.96 91.52,18.23 91.39,18.51 91.29,18.79 91.21,19.09 91.15,19.39 91.12,19.69 91.11,20 91.13,20.3 91.17,20.61 91.23,20.91 91.31,21.2 91.42,21.48 91.55,21.76 91.7,22.02 91.88,22.27 92.07,22.51 92.27,22.73 92.5,22.93 92.74,23.11 92.99,23.28 93.25,23.42 93.53,23.55 93.81,23.65 94.1,23.73 94.4,23.78 94.7,23.82 95,23.82 95.3,23.81 95.6,23.77 95.89,23.71 96.18,23.63 96.46,23.52 96.73,23.39 96.99,23.24 97.23,23.07 97.47,22.89 97.68,22.68 97.88,22.46 98.06,22.23 98.23,21.98 98.37,21.72 98.49,21.45 98.59,21.17 98.67,20.88 98.72,20.59 98.75,20.3 98.76,20 98.75,19.71 98.71,19.41 98.65,19.12 98.57,18.84 98.46,18.57 98.34,18.3 98.19,18.05 98.02,17.8 97.84,17.57 97.64,17.36 97.42,17.17 97.19,16.99 96.94,16.83 96.69,16.69 96.42,16.57 96.15,16.47 95.87,16.39 95.58,16.34 95.29,16.31 95,16.3 94.69,16.32 94.39,16.36 94.09,16.42 93.8,16.51 93.52,16.63 93.25,16.76 92.99,16.92 92.74,17.1 92.51,17.3 92.3,17.52 92.11,17.75 91.94,18 91.78,18.26 91.65,18.53 91.55,18.81 91.46,19.1 91.41,19.4 91.37,19.7 91.36,20 91.38,20.3 91.42,20.6 91.48,20.89 91.57,21.18 91.68,21.45 91.82,21.72 91.97,21.98 92.15,22.22 92.35,22.44 92.56,22.65 92.79,22.84 93.03,23.01 93.29,23.16 93.56,23.29 93.83,23.39 94.12,23.48 94.41,23.53 94.7,23.57 95,23.57 95.29,23.56 95.59,23.52 95.88,23.46 96.16,23.37 96.43,23.26 96.69,23.13 96.94,22.97 97.18,22.8 97.4,22.61 97.61,22.4 97.79,22.17 97.96,21.93 98.11,21.68 98.23,21.42 98.33,21.14 98.41,20.86 98.47,20.58 98.5,20.29 98.51,20 98.5,19.71 98.46,19.42 98.4,19.14 98.31,18.86 98.2,18.6 98.07,18.34 97.92,18.09 97.75,17.86 97.56,17.64 97.36,17.44 97.14,17.26 96.9,17.09 96.65,16.95 96.39,16.83 96.12,16.72 95.85,16.65 95.57,16.59 95.29,16.56 95,16.55 94.7,16.57 94.4,16.61 94.11,16.68 93.82,16.77 93.55,16.89 93.29,17.03 93.04,17.19 92.8,17.38 92.58,17.58 92.38,17.8 92.21,18.04 92.05,18.3 91.91,18.56 91.8,18.84 91.72,19.12 91.66,19.41 91.62,19.7 91.61,20 91.63,20.29 91.67,20.59 91.74,20.87 91.83,21.15 91.95,21.42 92.08,21.68 92.25,21.93 92.43,22.16 92.63,22.37 92.84,22.57 93.08,22.74 93.33,22.9 93.59,23.03 93.86,23.14 94.14,23.22 94.42,23.28 94.71,23.32 95,23.32 95.29,23.31 95.58,23.27 95.86,23.2 96.13,23.11 96.4,23 96.65,22.86 96.89,22.7 97.12,22.53 97.33,22.33 97.52,22.11 97.69,21.89 97.84,21.64 97.97,21.39 98.08,21.12 98.16,20.85 98.22,20.57 98.25,20.28 98.26,20 98.25,19.72 98.21,19.43 98.14,19.16 98.05,18.89 97.94,18.63 97.81,18.38 97.65,18.14 97.48,17.92 97.28,17.72 97.07,17.53 96.85,17.36 96.61,17.21 96.36,17.08 96.1,16.98 95.83,16.9 95.56,16.84 95.28,16.81 95,16.8 94.71,16.82 94.41,16.86 94.13,16.93 93.85,17.03 93.58,17.15 93.33,17.3 93.09,17.47 92.86,17.66 92.66,17.87 92.48,18.09 92.31,18.34 92.17,18.59 92.06,18.86 91.97,19.14 91.91,19.42 91.87,19.71 91.86,20 91.88,20.29 91.92,20.58 91.99,20.86 92.09,21.13 92.21,21.39 92.35,21.64 92.52,21.88 92.7,22.09 92.91,22.29 93.13,22.47 93.37,22.63 93.62,22.77 93.88,22.88 94.16,22.97 94.43,23.03 94.72,23.07 95,23.07 95.28,23.06 95.56,23.02 95.84,22.95 96.11,22.85 96.36,22.74 96.61,22.6 96.84,22.43 97.05,22.25 97.25,22.05 97.42,21.83 97.58,21.6 97.71,21.35 97.82,21.09 97.91,20.83 97.97,20.55 98,20.28 98.01,20 98,19.72 97.95,19.45 97.89,19.18 97.8,18.92 97.68,18.67 97.54,18.43 97.38,18.2 97.2,17.99 97.01,17.8 96.79,17.63 96.56,17.47 96.32,17.34 96.07,17.24 95.81,17.15 95.54,17.09 95.27,17.06 95,17.05 94.71,17.07 94.43,17.11 94.15,17.19 93.88,17.29 93.62,17.42 93.37,17.57 93.15,17.74 92.94,17.94 92.75,18.15 92.58,18.38 92.44,18.63 92.32,18.89 92.23,19.16 92.16,19.44 92.12,19.72 92.11,20 92.13,20.28 92.18,20.56 92.25,20.83 92.35,21.1 92.47,21.35 92.62,21.59 92.79,21.81 92.98,22.02 93.19,22.2 93.42,22.37 93.66,22.51 93.91,22.62 94.18,22.71 94.45,22.78 94.72,22.82 95,22.82 95.28,22.81 95.55,22.76 95.82,22.69 96.08,22.6 96.32,22.47 96.56,22.33 96.77,22.16 96.98,21.98 97.16,21.77 97.32,21.55 97.45,21.31 97.57,21.06 97.65,20.81 97.72,20.54 97.75,20.27 97.76,20 97.75,19.73 97.7,19.46 97.63,19.2 97.54,18.95 97.42,18.71 97.28,18.48 97.11,18.26 96.93,18.07 96.73,17.89 96.51,17.74 96.28,17.6 96.04,17.49 95.79,17.41 95.53,17.34 95.27,17.31 95,17.3 94.72,17.32 94.44,17.37 94.17,17.44 93.91,17.55 93.66,17.68 93.43,17.84 93.21,18.02 93.02,18.22 92.85,18.44 92.7,18.67 92.58,18.92 92.48,19.18 92.41,19.45 92.37,19.72 92.36,20 92.38,20.28 92.43,20.55 92.5,20.81 92.61,21.07 92.73,21.31 92.89,21.54 93.06,21.75 93.26,21.94 93.47,22.1 93.7,22.25 93.95,22.37 94.2,22.46 94.46,22.53 94.73,22.57 95,22.57 95.27,22.56 95.53,22.51 95.79,22.44 96.04,22.34 96.28,22.21 96.5,22.06 96.7,21.89 96.89,21.7 97.05,21.49 97.19,21.27 97.31,21.03 97.4,20.78 97.47,20.52 97.5,20.26 97.51,20 97.49,19.74 97.45,19.48 97.38,19.23 97.28,18.98 97.16,18.75 97.01,18.54 96.85,18.34 96.66,18.16 96.45,18 96.24,17.86 96,17.75 95.76,17.66 95.51,17.6 95.26,17.56 95,17.55 94.73,17.57 94.46,17.62 94.2,17.7 93.94,17.81 93.71,17.94 93.49,18.11 93.29,18.29 93.11,18.49 92.96,18.72 92.83,18.96 92.73,19.21 92.66,19.47 92.62,19.73 92.61,20 92.63,20.27 92.68,20.53 92.76,20.78 92.87,21.03 93,21.26 93.15,21.47 93.33,21.67 93.53,21.84 93.75,21.99 93.98,22.11 94.23,22.21 94.48,22.28 94.74,22.31 95,22.32 95.26,22.31 95.52,22.26 95.76,22.18 96,22.08 96.23,21.95 96.43,21.8 96.62,21.62 96.79,21.43 96.93,21.22 97.05,20.99 97.15,20.75 97.21,20.51 97.25,20.25 97.26,20 97.24,19.75 97.2,19.5 97.12,19.26 97.02,19.03 96.9,18.81 96.75,18.61 96.58,18.42 96.39,18.26 96.18,18.12 95.96,18 95.73,17.91 95.49,17.85 95.25,17.81 95,17.8 94.74,17.82 94.48,17.87 94.22,17.96 93.99,18.07 93.76,18.21 93.56,18.37 93.38,18.56 93.22,18.77 93.09,19 92.99,19.24 92.92,19.49 92.87,19.74 92.86,20 92.88,20.26 92.93,20.51 93.01,20.75 93.12,20.98 93.26,21.2 93.42,21.4 93.6,21.57 93.81,21.73 94.03,21.85 94.26,21.95 94.5,22.02 94.75,22.06 95,22.07 95.25,22.06 95.49,22.01 95.73,21.93 95.96,21.82 96.17,21.69 96.36,21.53 96.53,21.35 96.68,21.16 96.8,20.94 96.9,20.72 96.96,20.48 97,20.24 97.01,20 96.99,19.76 96.94,19.52 96.87,19.29 96.76,19.07 96.64,18.87 96.48,18.68 96.31,18.52 96.12,18.38 95.92,18.26 95.7,18.16 95.47,18.1 95.24,18.06 95,18.05 94.75,18.07 94.5,18.13 94.26,18.21 94.04,18.33 93.83,18.47 93.64,18.64 93.48,18.84 93.35,19.05 93.24,19.27 93.17,19.51 93.12,19.75 93.11,20 93.13,20.25 93.19,20.49 93.27,20.72 93.38,20.93 93.52,21.13 93.69,21.31 93.87,21.47 94.08,21.6 94.3,21.7 94.52,21.77 94.76,21.81 95,21.82 95.24,21.8 95.47,21.75 95.69,21.67 95.9,21.56 96.1,21.43 96.27,21.27 96.42,21.09 96.54,20.89 96.64,20.68 96.71,20.46 96.75,20.23 96.76,20 96.74,19.77 96.69,19.55 96.61,19.33 96.51,19.13 96.38,18.94 96.22,18.78 96.05,18.63 95.86,18.51 95.66,18.41 95.44,18.35 95.22,18.31 95,18.3 94.76,18.32 94.52,18.38 94.3,18.47 94.09,18.59 93.91,18.74 93.74,18.91 93.6,19.1 93.49,19.31 93.42,19.54 93.37,19.77 93.36,20 93.38,20.23 93.44,20.46 93.53,20.67 93.64,20.87 93.78,21.05 93.95,21.21 94.14,21.34 94.34,21.45 94.55,21.52 94.78,21.56 95,21.57 95.22,21.55 95.44,21.5 95.65,21.42 95.84,21.31 96.01,21.17 96.16,21.01 96.29,20.83 96.39,20.64 96.46,20.43 96.5,20.22 96.51,20 96.49,19.79 96.44,19.58 96.36,19.38 96.25,19.19 96.12,19.03 95.97,18.88 95.8,18.76 95.61,18.67 95.41,18.6 95.21,18.56 95,18.55 95,18.6 94.63,18.97 94.59,18.98